# Altium PCB PCB1.PcbDoc (part 2 of 2)
Units mm, origin at the board's own origin, x right, y up, seen from the top; angles counter-clockwise.
Board outline 228.75 x 76.35 mm, 2 copper layers (Top Layer, Bottom Layer); 114 components, 129 nets, 731 pads, 121 vias.
Unrouted connection lines stored in the file: 10.
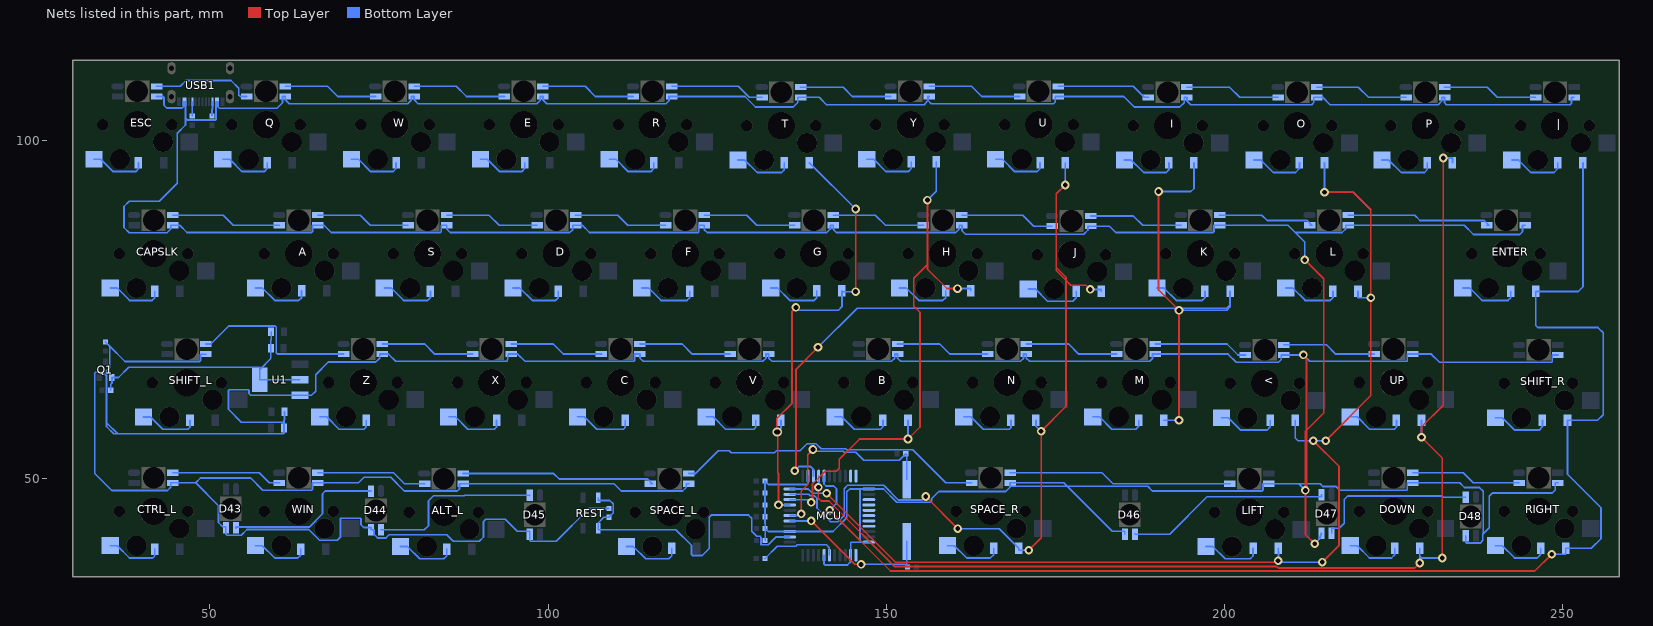
[diagram p2: the nets of this part, all layers, seen from the top]

## Via types
v1: diameter 1.27, hole 0.711, Top Layer to Bottom Layer, 94 vias
v2: diameter 0.5, hole 0.245, Top Layer to Bottom Layer, 27 vias

## Nets (pads, with @x,y where several pads share a name; then routed paths per layer and width w, separated by ;. In a path a pad name is that pad's centre, name@x,y a point inside that pad or via, vN(x,y) a via of type N, cw(c..) or ccw(c..) an arc to the next point about the centre after c; other vN are vias at no path point) (continued)
KEY_SEG6: D6.2 D18.2 D28.2 MCU.19 | length 68.4
  Top Layer w0.254: v1(133.807,56.947) 133.807,58.928 136.093,61.214 136.093,74.803 v1(136.652,75.362) ; v1(133.988,56.947) 133.988,50.925 134.085,50.829 v1(134.085,46.152) ; v1(145.491,77.699) v1(145.491,89.916)
  Bottom Layer w0.254: v1(133.807,56.947) 134.442,57.582 ; v1(133.988,56.947) 134.442,57.401 134.442,57.582 ; v1(134.085,46.152) MCU.19@135.754,46.152 ; D28.2@134.442,58.674 134.442,57.582 ; v1(136.652,75.362) 137.058,74.955 142.951,74.955 143.459,75.463 D18.2@143.459,77.699 ; D6.2@138.633,96.774 v1(145.491,89.916) ; D18.2@143.459,77.851 D18.2@143.459,77.699 ; v1(145.491,77.699) D18.2@143.459,77.699
KEY_SEG7: D7.2 D19.2 D29.2 MCU.20 | length 78.6
  Top Layer w0.254: v1(138.913,46.533) 139.117,46.738 139.117,49.252 141.021,51.156 142.646,51.156 143.078,51.587 143.078,52.908 146.075,55.905 v1(153.238,55.905) 155.016,57.683 155.016,74.625 154.102,75.54 154.102,79.68 156.108,81.686 ; v1(156.108,91.237) 156.108,81.686 ; v1(160.553,78.156) 159.004,78.156 156.108,81.051 156.108,81.686
  Bottom Layer w0.254: MCU.20@135.754,46.939 138.506,46.939 v1(138.913,46.533) ; v1(153.238,55.905) D29.2@153.238,58.674 ; v1(156.108,91.237) 157.429,92.558 D7.2@157.429,96.901 ; v1(160.553,78.156) 162.509,78.156 D19.2@162.509,77.851
KEY_SEG8: D8.2 D20.2 D30.2 D39.2 MCU.21 | length 118.2
  Top Layer w0.254: v1(155.854,47.396) v1(160.604,42.647) ; v1(171.094,39.446) 172.923,41.275 v1(172.923,57.048) 176.606,60.731 176.606,79.375 ; v1(176.479,93.472) 175.158,92.151 175.158,81.28 ; v1(180.188,78.029) 179.553,78.664 177.317,78.664 176.606,79.375 ; 175.158,81.28 175.158,80.823 176.606,79.375 ; 175.158,81.28 176.606,79.832 176.606,79.375
  Bottom Layer w0.254: MCU.21@135.754,47.727 138.559,47.727 138.756,47.53 139.389,47.53 139.776,47.142 139.776,45.695 141.791,43.68 142.842,43.68 143.815,44.653 143.815,48.565 144.297,49.047 149.657,49.047 151.816,46.888 155.346,46.888 v1(155.854,47.396) ; v1(160.604,42.647) 166.726,42.647 D39.2@169.621,39.751 169.621,39.446 v1(171.094,39.446) ; D30.2@172.161,58.674 172.161,57.81 v1(172.923,57.048) ; v1(176.479,93.472) D8.2@176.479,96.774 ; v1(180.188,78.029) 181.813,78.029 D20.2@181.813,77.724
KEY_SEG9: D9.2 D21.2 D31.2 MCU.25 | length 144
  Top Layer w0.254: v1(136.474,51.206) 136.682,51.414 136.682,66.223 v1(139.929,69.469) ; v1(190.297,92.507) 190.297,77.953 v1(193.319,74.93) v1(193.319,58.674)
  Bottom Layer w0.254: v1(136.474,51.206) 137.09,51.822 138.83,51.822 139.243,51.41 MCU.25@139.243,50.428 ; v1(139.929,69.469) 145.72,75.26 200.355,75.26 200.863,75.768 ; v1(190.297,92.507) 195.072,92.507 195.529,92.964 D9.2@195.529,96.774 ; D31.2@191.084,58.674 v1(193.319,58.674) ; v1(193.319,74.93) 200.355,74.93 200.863,75.438 200.863,75.768 ; D21.2@200.863,77.724 200.863,75.768
KEY_SEG10: D10.2 D22.2 D32.2 D40.2 MCU.22 | length 174.9
  Top Layer w0.254: v1(141.188,47.884) 151.378,37.694 207.772,37.694 v1(207.975,37.897) ; v1(213.182,55.651) 216.992,51.841 216.992,40.183 v1(214.503,37.694) ; v1(214.833,92.405) 219.1,92.405 221.691,89.814 v1(221.691,76.81) 221.691,62.332 v1(215.011,55.651)
  Bottom Layer w0.254: MCU.22@135.754,48.514 138.48,48.514 139.11,47.884 v1(141.188,47.884) ; v1(207.975,37.897) D40.2@207.975,39.751 208.157,37.915 208.178,37.694 v1(214.503,37.694) ; D32.2@210.515,58.674 210.515,56.058 210.922,55.651 v1(213.182,55.651) v1(215.011,55.651) ; D10.2@214.833,96.774 v1(214.833,92.405) 219.1,92.405 221.691,89.814 ; D22.2@219.786,77.724 219.786,76.81 v1(221.691,76.81)
KEY_SEG11: D11.2 D33.2 D41.2 MCU.26 | length 168.8
  Top Layer w0.254: v1(139.979,48.768) 139.979,47.142 140.386,46.736 141.554,46.736 151.257,37.033 207.772,37.033 207.975,36.83 228.194,36.83 v1(228.93,37.567) ; v1(232.258,38.303) 232.258,53.086 v1(229.184,56.159) 229.184,57.709 232.385,60.909 v1(232.385,97.46)
  Bottom Layer w0.254: v1(139.979,48.768) 140.03,48.819 MCU.26@140.03,50.428 ; v1(228.93,37.567) 228.93,38.583 ; D41.2@228.93,39.751 228.93,38.583 ; v1(229.184,56.159) D33.2@229.184,58.674 ; v1(232.258,38.303) 229.21,38.303 228.93,38.583 ; v1(232.385,97.46) 233.756,97.46 D11.2@233.756,96.774
KEY_SEG12: D12.2 D23.2 D34.2 D42.2 MCU.27 | length 205.6
  Top Layer w0.254: v1(141.656,45.364) 150.647,36.373 245.948,36.373 v1(248.437,38.862)
  Bottom Layer w0.254: MCU.27@140.818,50.428 140.818,49.251 141.112,48.957 142.24,48.957 142.67,48.526 142.67,46.379 v1(141.656,45.364) ; v1(248.437,38.862) 250.52,38.862 D42.2@250.52,39.751 254.305,39.751 255.727,41.173 255.727,45.72 250.774,50.673 D34.2@250.774,58.674 255.219,58.674 256.063,59.518 256.063,71.597 255.27,72.39 246.38,72.39 246.075,72.695 D23.2@246.075,77.724 252.374,77.724 253.06,78.41 D12.2@253.06,96.774
Net<_2: <.2 D32.1 | length 9.1
  Bottom Layer w0.254: <.2@199.594,59.055 200.609,59.055 202.438,57.226 206.324,57.226 206.807,57.709 D32.1@206.807,58.674
Net<_4: <.4 UP.6 | length 13.9
  Bottom Layer w0.254: <.4@208.844,69.838 215.138,69.838 216.511,68.465 UP.6@222.194,68.465
Net<_6: <.6 M.4 | length 14
  Bottom Layer w0.254: M.4@189.794,69.965 200.417,69.965 202.044,68.338 <.6@203.144,68.338
NetA_2: A.2 D14.1 | length 8.8
  Bottom Layer w0.254: A.2@56.719,78.232 57.734,78.232 59.563,76.403 63.144,76.403 63.551,76.81 D14.1@63.551,77.851
NetA_4: A.4 S.6 | length 14
  Bottom Layer w0.254: A.4@65.969,89.015 72.212,89.015 73.712,87.515 S.6@79.319,87.515
NetA_6: A.6 CAPSLK.4 | length 16.4
  Bottom Layer w0.254: CAPSLK.4@44.506,89.015 51.943,89.015 53.443,87.515 A.6@60.269,87.515
NetALT_L_2: ALT_L.2 D37.1 | length 8.8
  Bottom Layer w0.254: ALT_L.2@78.182,40.005 79.197,40.005 81.026,38.176 84.582,38.176 85.014,38.608 D37.1@85.014,39.624
NetALT_L_4: ALT_L.4 SPACE_L.6 | length 29
  Bottom Layer w0.254: ALT_L.4@87.432,50.788 100.838,50.788 101.639,49.987 114.757,49.987 115.456,49.288 SPACE_L.6@115.133,49.288
NetALT_L_6: ALT_L.6 WIN.4 | length 16.4
  Bottom Layer w0.254: WIN.4@65.969,50.915 77.146,50.915 78.773,49.288 ALT_L.6@81.732,49.288
NetB_2: B.2 D29.1 | length 9
  Bottom Layer w0.254: B.2@142.444,59.182 143.459,59.182 145.288,57.353 149.174,57.353 149.53,57.709 D29.1@149.53,58.674
NetB_4: B.4 N.6 | length 14
  Bottom Layer w0.254: B.4@151.694,69.965 157.937,69.965 159.437,68.465 N.6@165.044,68.465
NetC_2: C.2 D27.1 | length 9
  Bottom Layer w0.254: C.2@104.344,59.182 105.359,59.182 107.188,57.353 111.15,57.353 111.43,57.633 D27.1@111.43,58.674
NetC_4: C.4 V.6 | length 14
  Bottom Layer w0.254: C.4@113.594,69.965 119.837,69.965 121.337,68.465 V.6@126.944,68.465
NetC_6: C.6 X.4 | length 14
  Bottom Layer w0.254: X.4@94.544,69.965 100.787,69.965 102.287,68.465 C.6@107.894,68.465
NetCAPSLK_2: CAPSLK.2 D13.1 | length 8.4
  Bottom Layer w0.254: CAPSLK.2@35.256,78.232 36.271,78.232 38.1,76.403 41.427,76.403 41.834,76.81 D13.1@41.834,77.724
NetCTRL_L_2: CTRL_L.2 D35.1 | length 8.5
  Bottom Layer w0.254: CTRL_L.2@35.256,40.132 36.271,40.132 38.1,38.303 41.529,38.303 41.834,38.608 D35.1@41.834,39.624
NetCTRL_L_4: CTRL_L.4 WIN.6 | length 16.4
  Bottom Layer w0.254: CTRL_L.4@44.506,50.915 57.264,50.915 58.764,49.415 WIN.6@60.269,49.415
NetD1_1: D1.1 ESC.2 | length 8.4
  Bottom Layer w0.254: ESC.2@32.843,97.282 33.858,97.282 35.687,95.453 39.014,95.453 39.421,95.86 D1.1@39.421,96.774
NetD2_1: D2.1 Q.2 | length 8.4
  Bottom Layer w0.254: Q.2@51.893,97.282 52.908,97.282 54.737,95.453 58.014,95.453 58.471,95.91 D2.1@58.471,96.774
NetD3_1: D3.1 W.2 | length 8.4
  Bottom Layer w0.254: W.2@70.943,97.282 71.958,97.282 73.787,95.453 77.064,95.453 77.521,95.91 D3.1@77.521,96.774
NetD4_1: D4.1 E.2 | length 8.4
  Bottom Layer w0.254: E.2@89.993,97.282 91.008,97.282 92.837,95.453 96.114,95.453 96.571,95.91 D4.1@96.571,96.774
NetD5_1: D5.1 R.2 | length 8.4
  Bottom Layer w0.254: R.2@109.043,97.282 110.058,97.282 111.887,95.453 115.164,95.453 115.621,95.91 D5.1@115.621,96.774
NetD6_1: D6.1 T.2 | length 8.8
  Bottom Layer w0.254: T.2@128.093,97.155 129.108,97.155 130.937,95.326 134.518,95.326 134.925,95.733 D6.1@134.925,96.774
NetD7_1: D7.1 Y.2 | length 8.5
  Bottom Layer w0.254: Y.2@147.143,97.282 148.158,97.282 149.987,95.453 153.264,95.453 153.721,95.91 D7.1@153.721,96.901
NetD8_1: D8.1 U.2 | length 8.4
  Bottom Layer w0.254: U.2@166.193,97.282 167.208,97.282 169.037,95.453 172.314,95.453 172.771,95.91 D8.1@172.771,96.774
NetD9_1: D9.1 I.2 | length 8.5
  Bottom Layer w0.254: I.2@185.243,97.155 186.258,97.155 188.087,95.326 191.414,95.326 191.821,95.733 D9.1@191.821,96.774
NetD10_1: D10.1 O.2 | length 8.6
  Bottom Layer w0.254: O.2@204.42,97.155 205.435,97.155 207.264,95.326 210.541,95.326 211.125,95.91 D10.1@211.125,96.774
NetD11_1: D11.1 P.2 | length 8.7
  Bottom Layer w0.254: P.2@223.343,97.155 224.358,97.155 226.187,95.326 229.616,95.326 230.048,95.758 D11.1@230.048,96.774
NetD12_1: D12.1 |.2 | length 8.7
  Bottom Layer w0.254: |.2@242.52,97.155 243.535,97.155 245.364,95.326 248.768,95.326 249.352,95.91 D12.1@249.352,96.774
NetD15_1: D15.1 S.2 | length 8.7
  Bottom Layer w0.254: S.2@75.769,78.232 76.784,78.232 78.613,76.403 82.194,76.403 82.601,76.81 D15.1@82.601,77.724
NetD16_1: D16.1 D.2 | length 8.5
  Bottom Layer w0.254: D.2@94.819,78.232 95.834,78.232 97.663,76.403 101.117,76.403 101.524,76.81 D16.1@101.524,77.724
NetD17_1: D17.1 F.2 | length 8.9
  Bottom Layer w0.254: F.2@113.869,78.232 114.884,78.232 116.713,76.403 120.548,76.403 120.955,76.81 D17.1@120.955,77.724
NetD18_1: D18.1 G.2 | length 8.8
  Bottom Layer w0.254: G.2@132.919,78.232 133.934,78.232 135.763,76.403 139.344,76.403 139.751,76.81 D18.1@139.751,77.851
NetD19_1: D19.1 H.2 | length 8.8
  Bottom Layer w0.254: H.2@151.969,78.232 152.984,78.232 154.813,76.403 158.394,76.403 158.801,76.81 D19.1@158.801,77.851
NetD20_1: D20.1 J.2 | length 9
  Bottom Layer w0.254: J.2@171.019,78.105 172.034,78.105 173.863,76.276 177.597,76.276 178.105,76.784 D20.1@178.105,77.724
NetD21_1: D21.1 K.2 | length 8.9
  Bottom Layer w0.254: K.2@190.069,78.232 191.084,78.232 192.913,76.403 196.748,76.403 197.155,76.81 D21.1@197.155,77.724
NetD22_1: D22.1 L.2 | length 8.8
  Bottom Layer w0.254: L.2@209.119,78.232 210.134,78.232 211.963,76.403 215.671,76.403 216.078,76.81 D22.1@216.078,77.724
NetD23_1: D23.1 ENTER.2 | length 8.9
  Bottom Layer w0.254: ENTER.2@235.281,78.232 236.296,78.232 238.125,76.403 241.96,76.403 242.367,76.81 D23.1@242.367,77.724
NetD24_1: D24.1 SHIFT_L.2 | length 8.8
  Bottom Layer w0.254: SHIFT_L.2@40.153,59.17 41.148,59.17 42.99,57.328 46.736,57.328 47.041,57.633 D24.1@47.041,58.674
NetD25_1: D25.1 Z.2 | length 8.8
  Bottom Layer w0.254: Z.2@66.244,59.182 67.259,59.182 69.088,57.353 72.771,57.353 73.127,57.709 D25.1@73.127,58.674
NetD26_1: D26.1 X.2 | length 9
  Bottom Layer w0.254: X.2@85.294,59.182 86.309,59.182 88.138,57.353 92.05,57.353 92.38,57.683 D26.1@92.38,58.674
NetD28_1: D28.1 V.2 | length 9.3
  Bottom Layer w0.254: V.2@123.394,59.182 124.409,59.182 126.238,57.353 130.454,57.353 130.734,57.633 D28.1@130.734,58.674
NetD30_1: D30.1 N.2 | length 8.9
  Bottom Layer w0.254: N.2@161.494,59.182 162.509,59.182 164.338,57.353 168.25,57.353 168.453,57.556 D30.1@168.453,58.674
NetD31_1: D31.1 M.2 | length 8.7
  Bottom Layer w0.254: M.2@180.544,59.182 181.559,59.182 183.388,57.353 186.944,57.353 187.376,57.785 D31.1@187.376,58.674
NetD33_1: D33.1 UP.2 | length 8.7
  Bottom Layer w0.254: UP.2@218.644,59.182 219.659,59.182 221.488,57.353 225.146,57.353 225.476,57.683 D33.1@225.476,58.674
NetD34_1: D34.1 SHIFT_R.2 | length 8.9
  Bottom Layer w0.254: SHIFT_R.2@240.107,59.055 241.122,59.055 242.951,57.226 246.583,57.226 247.066,57.709 D34.1@247.066,58.674
NetD36_1: D36.1 WIN.2 | length 8.5
  Bottom Layer w0.254: WIN.2@56.719,40.132 57.734,40.132 59.563,38.303 62.992,38.303 63.424,38.735 D36.1@63.424,39.624
NetD38_1: D38.1 SPACE_L.2 | length 8.8
  Bottom Layer w0.254: SPACE_L.2@111.583,40.005 112.598,40.005 114.427,38.176 117.856,38.176 118.288,38.608 D38.1@118.288,39.751
NetD39_1: D39.1 SPACE_R.2 | length 8.7
  Bottom Layer w0.254: SPACE_R.2@159.081,40.132 160.096,40.132 161.925,38.303 165.405,38.303 165.913,38.811 D39.1@165.913,39.751
NetD40_1: D40.1 LIFT.2 | length 9
  Bottom Layer w0.254: LIFT.2@197.308,40.005 198.323,40.005 200.152,38.176 203.835,38.176 204.267,38.608 D40.1@204.267,39.751
NetD41_1: D41.1 DOWN.2 | length 8.5
  Bottom Layer w0.254: DOWN.2@218.644,40.132 219.659,40.132 221.488,38.303 224.739,38.303 225.222,38.786 D41.1@225.222,39.751
NetD42_1: D42.1 RIGHT.2 | length 8.6
  Bottom Layer w0.254: RIGHT.2@240.107,40.132 241.122,40.132 242.951,38.303 246.278,38.303 246.812,38.837 D42.1@246.812,39.751
NetD43_4: D43.4 D44.2 | length 24.1
  Bottom Layer w0.254: D43.4@53.84,42.743 53.84,42.875 64.69,42.875 66.65,44.835 66.65,47.803 67.056,48.209 73.803,48.209 D44.2@73.803,48.189
NetD44_4: D44.4 D45.2 | length 26.3
  Bottom Layer w0.254: D44.4@75.303,42.489 75.303,42.469 81.712,42.469 82.321,43.078 82.321,46.761 83.063,47.503 87.606,47.503 87.678,47.574 97.294,47.574 D45.2@97.294,47.554
NetD46_4: D46.4 D47.2 | length 30.2
  Bottom Layer w0.254: D46.4@186.805,41.854 186.805,41.834 191.948,41.834 197.46,47.346 214.392,47.346 D47.2@214.392,47.681
NetD47_4: D47.4 D48.2 | length 24.7
  Bottom Layer w0.254: D47.4@215.892,41.981 215.892,42.697 217.018,42.697 217.754,43.434 217.754,46.965 218.262,47.473 232.232,47.473 232.41,47.295 235.728,47.295 D48.2@235.728,47.3
NetD_4: D.4 F.6 | length 14
  Bottom Layer w0.254: D.4@104.069,89.015 110.312,89.015 111.812,87.515 F.6@117.419,87.515
NetD_6: D.6 S.4 | length 14
  Bottom Layer w0.254: S.4@85.019,89.015 91.262,89.015 92.762,87.515 D.6@98.369,87.515
NetDOWN_4: DOWN.4 RIGHT.6 | length 16.4
  Bottom Layer w0.254: DOWN.4@227.894,50.915 235.331,50.915 236.831,49.415 RIGHT.6@243.657,49.415
NetE_4: E.4 R.6 | length 14
  Bottom Layer w0.254: E.4@99.243,108.065 105.486,108.065 106.986,106.565 R.6@112.593,106.565
NetE_6: E.6 W.4 | length 14
  Bottom Layer w0.254: W.4@80.193,108.065 86.436,108.065 87.936,106.565 E.6@93.543,106.565
NetENTER_6: ENTER.6 L.4 | length 21.7
  Bottom Layer w0.254: L.4@218.369,89.015 228.168,89.015 228.969,88.214 238.455,88.214 239.154,87.515 ENTER.6@238.831,87.515
NetESC_4: ESC.4 Q.6 | length 15.3
  Bottom Layer w0.254: ESC.4@42.093,108.065 45.601,108.065 46.458,108.922 53.104,108.922 54.254,107.772 54.254,106.768 54.458,106.565 Q.6@55.443,106.565
NetF_4: F.4 G.6 | length 14
  Bottom Layer w0.254: F.4@123.119,89.015 129.362,89.015 130.862,87.515 G.6@136.469,87.515
NetG_4: G.4 H.6 | length 14
  Bottom Layer w0.254: G.4@142.169,89.015 148.412,89.015 149.912,87.515 H.6@155.519,87.515
NetH_4: H.4 J.6 | length 14
  Bottom Layer w0.254: H.4@161.219,89.015 170.217,89.015 171.844,87.388 J.6@174.569,87.388
NetI_4: I.4 O.6 | length 14.1
  Bottom Layer w0.254: I.4@194.493,107.938 200.787,107.938 202.287,106.438 O.6@207.97,106.438
NetI_6: I.6 U.4 | length 14
  Bottom Layer w0.254: U.4@175.443,108.065 186.575,108.065 188.202,106.438 I.6@188.793,106.438
NetJ_4: J.4 K.6 | length 13.9
  Bottom Layer w0.254: J.4@180.269,88.888 186.563,88.888 187.936,87.515 K.6@193.619,87.515
NetK_4: K.4 L.6 | length 14.6
  Bottom Layer w0.254: K.4@199.319,89.015 205.562,89.015 206.363,88.214 212.293,88.214 212.992,87.515 L.6@212.669,87.515
NetLIFT_6: LIFT.6 SPACE_R.4 | length 33.2
  Bottom Layer w0.254: SPACE_R.4@168.331,50.915 181.926,50.915 183.553,49.288 LIFT.6@200.858,49.288
NetM_6: M.6 N.4 | length 14
  Bottom Layer w0.254: N.4@170.744,69.965 176.987,69.965 178.487,68.465 M.6@184.094,68.465
NetO_4: O.4 P.6 | length 13.8
  Bottom Layer w0.254: O.4@213.67,107.938 219.837,107.938 221.337,106.438 P.6@226.893,106.438
NetP_4: P.4 |.6 | length 14.1
  Bottom Layer w0.254: P.4@232.593,107.938 238.887,107.938 240.387,106.438 |.6@246.07,106.438
NetQ_4: Q.4 W.6 | length 14
  Bottom Layer w0.254: Q.4@61.143,108.065 67.386,108.065 68.886,106.565 W.6@74.493,106.565
NetR1_1: R1.1 USB1.A5 | length 2.1
  Bottom Layer w0.254: R1.1@47.371,103.683 47.371,104.699 47.384,104.712 USB1.A5@47.384,105.776
NetR2_2: R2.2 USB1.B5 | length 2.1
  Bottom Layer w0.254: R2.2@50.29,103.695 50.29,104.673 50.384,104.767 USB1.B5@50.384,105.776
NetR_4: R.4 T.6 | length 14
  Bottom Layer w0.254: R.4@118.293,108.065 128.155,108.065 129.782,106.438 T.6@131.643,106.438
NetSHIFT_L_4: SHIFT_L.4 Z.6 | length 25.4
  Bottom Layer w0.254: SHIFT_L.4@49.403,69.953 50.109,69.953 52.775,72.619 59.639,72.619 59.792,72.466 59.792,68.682 60.008,68.465 Z.6@69.794,68.465
NetSPACE_L_4: SPACE_L.4 SPACE_R.6 | length 46.3
  Bottom Layer w0.254: SPACE_L.4@120.833,50.788 121.78,50.788 125.152,54.161 126.78,54.161 127.068,53.873 133.485,53.873 133.783,54.172 137.258,54.172 138.305,55.218 139.622,55.218 140.389,54.451 144.018,54.451 144.139,54.331 153.924,54.331 158.84,49.415 SPACE_R.6@162.631,49.415
NetT_4: T.4 Y.6 | length 13.9
  Bottom Layer w0.254: T.4@137.343,107.938 143.637,107.938 145.01,106.565 Y.6@150.693,106.565
NetU_6: U.6 Y.4 | length 14
  Bottom Layer w0.254: Y.4@156.393,108.065 162.636,108.065 164.136,106.565 U.6@169.743,106.565
NetX_6: X.6 Z.4 | length 14
  Bottom Layer w0.254: Z.4@75.494,69.965 81.737,69.965 83.237,68.465 X.6@88.844,68.465
PC7: MCU.32
PE2: MCU.33
PE6: MCU.1
PF0: MCU.41
PF1: MCU.40
PF4: MCU.39
PF5: MCU.38
PF6: MCU.37
PF7: MCU.36
REST: MCU.13 R3.2 REST.1 | length 47.9
  Bottom Layer w0.254: REST.1@107.424,47.208 107.424,46.812 109.144,46.812 109.626,46.33 109.626,44.956 R3.2@108.994,44.323 108.262,44.323 107.424,43.485 REST.1@107.424,42.708 107.424,42.494 118.901,42.494 121.209,40.186 121.209,38.775 121.31,38.673 122.784,38.673 123.825,39.714 123.825,44.323 124.156,44.653 129.642,44.653 130.124,44.171 130.124,42.24 130.861,41.504 131.369,41.504 131.496,41.377 131.496,40.286 132.588,40.286 133.729,41.427 MCU.13@135.754,41.427
UCap: C13.2 MCU.6 | length 11.6
  Bottom Layer w0.254: C13.2@132.095,38.227 133.924,40.056 136.668,40.056 136.866,40.254 141.178,40.254 141.605,39.827 MCU.6@141.605,38.726
VBUS: <.3 A.3 ALT_L.3 B.3 C3.2 C4.2 C5.2 C6.2 C7.2 C8.2 C9.2 C10.2 C.3 CAPSLK.3 CTRL_L.3 D43.3 D44.3 D45.3 D46.3 D47.3 D48.3 D.3 DOWN.3 E.3 ENTER.3 ESC.3 F.3 G.3 H.3 I.3 J.3 K.3 L.3 LIFT.3 M.3 MCU.2 MCU.7 MCU.14 MCU.24 MCU.34 MCU.44 N.3 O.3 P.3 Q.3 R3.1 R5.2 R.3 RIGHT.3 S.3 SHIFT_L.3 SHIFT_R.3 SPACE_L.3 SPACE_R.3 T.3 U1.3 U.3 UP.3 USB1.A4 USB1.A9 USB1.B4 USB1.B9 V.3 W.3 WIN.3 X.3 Y.3 Z.3 |.3 | length 1235.9
  Top Layer w0.254: v1(211.709,68.338) 212.166,67.881 212.166,57.201 ; v1(211.912,82.398) 214.706,79.604 214.706,59.741 212.166,57.201 ; v1(213.385,40.411) 212.014,41.783 v1(212.014,48.311) ; v1(212.014,48.311) 212.166,48.463 212.166,57.201 ; v1(212.014,48.311) 212.014,57.048 212.166,57.201
  Bottom Layer w0.254: R5.2@34.544,70.246 35.179,69.611 ; ESC.3@42.093,106.565 43.078,106.565 43.205,106.438 43.205,105.258 43.612,104.851 45.881,104.851 46.084,105.054 USB1.A4@46.084,105.776 USB1.B9@46.384,105.776 46.384,103.425 ; SHIFT_L.3@49.403,68.453 48.59,68.453 48.59,67.462 48.489,67.361 37.429,67.361 35.179,69.611 ; C9.2@61.021,59.944 61.021,58.765 60.955,58.699 60.955,58.217 ; Q.3@61.143,106.565 Q.3@61.138,106.565 ; W.3@80.193,106.565 W.3@80.188,106.565 ; S.3@85.019,87.515 S.3@85.014,87.515 ; E.3@99.243,106.565 E.3@99.238,106.565 ; R3.1@108.994,45.623 106.05,45.623 101.194,40.767 97.434,40.767 97.294,40.907 D45.3@97.294,41.854 97.294,42.266 95.453,42.266 93.675,44.044 90.805,44.044 90.449,43.688 90.449,41.402 89.814,40.767 86.004,40.767 85.039,41.732 76.479,41.732 76.022,41.275 74.778,41.275 74.27,41.783 74.27,42.489 D44.3@73.803,42.489 73.803,42.824 72.746,42.824 72.339,43.231 72.339,44.069 72.238,44.171 69.317,44.171 69.317,41.453 68.809,40.945 66.192,40.945 64.618,42.52 55.481,42.52 54.627,41.666 52.527,41.666 52.34,41.853 D43.3@52.34,42.743 52.34,42.926 51.892,42.926 51.257,43.561 51.257,46.037 47.879,49.415 ; C.3@113.594,68.465 C.3@113.589,68.465 ; SPACE_L.3@120.833,49.288 120.421,49.288 120.421,48.743 119.888,48.209 110.827,48.209 109.748,49.288 ALT_L.3@87.432,49.288 86.919,49.288 86.919,48.565 86.565,48.211 78.736,48.211 76.719,50.228 72.78,50.228 71.966,49.415 WIN.3@65.969,49.415 65.151,49.415 65.151,48.463 65.026,48.338 57.809,48.338 56.007,50.14 48.604,50.14 47.879,49.415 ; F.3@123.119,87.515 F.3@123.114,87.515 ; C8.2@132.11,40.894 C7.2@132.11,42.651 ; V.3@132.644,68.465 V.3@132.639,68.465 ; MCU.24@138.455,50.428 138.455,49.378 138.238,49.16 132.616,49.16 C3.2@132.095,49.681 C4.2@132.095,47.924 C5.2@132.095,46.166 132.095,45.771 132.08,45.756 132.08,44.409 C6.2@132.095,44.409 132.095,43.495 132.11,43.48 C7.2@132.11,42.651 ; MCU.7@140.818,38.726 140.818,37.389 140.945,37.262 144.272,37.262 144.755,37.744 MCU.2@144.755,38.726 144.755,40.538 144.856,40.64 146.355,40.64 ; G.3@142.169,87.515 G.3@142.164,87.515 ; MCU.44@147.456,40.64 146.355,40.64 ; B.3@151.694,68.465 B.3@151.689,68.465 ; Y.3@156.393,106.565 156.185,106.565 156.185,105.969 ; H.3@161.219,87.515 H.3@161.214,87.515 ; N.3@170.744,68.465 N.3@170.739,68.465 ; D46.3@185.305,41.854 185.305,42.266 183.439,42.266 176.784,48.92 ; I.3@194.493,106.438 I.3@194.488,106.438 ; v1(211.912,82.398) 211.912,85.039 210.515,86.436 ; v1(212.014,48.311) 211.037,49.288 ; v1(213.385,40.411) 214.103,41.129 D47.3@214.392,41.981 ; P.3@232.593,106.438 P.3@232.588,106.438 ; D48.3@235.728,41.6 235.728,40.64 235.855,40.513 237.846,40.513 238.251,40.918 238.251,41.835 ; ENTER.3@244.531,87.515 244.119,87.515 244.119,86.563 243.713,86.157 236.88,86.157 235.522,87.515 L.3@218.369,87.515 217.957,87.515 217.957,86.97 217.424,86.436 210.515,86.436 ; RIGHT.3@249.357,49.415 248.945,49.415 248.945,48.362 248.488,47.904 239.649,47.904 239.192,47.447 239.192,42.776 238.251,41.835 ; SHIFT_R.3@249.357,68.338 248.539,68.338 248.539,67.361 248.437,67.259 231.851,67.259 230.645,68.465 UP.3@227.894,68.465 227.076,68.465 227.076,67.488 226.974,67.386 212.661,67.386 v1(211.709,68.338) <.3@208.844,68.338 208.432,68.338 208.432,67.666 208.026,67.259 201.778,67.259 200.572,68.465 M.3@189.794,68.465 189.382,68.465 189.382,67.793 188.976,67.386 171.221,67.386 170.739,67.869 N.3@170.739,68.465 ; |.3@251.77,106.438 251.358,106.438 251.358,105.562 251.155,105.359 232.867,105.359 232.588,105.639 P.3@232.588,106.438 ; 34.696,58.318 34.696,65.202 ; 34.696,58.318 34.696,57.76 35.789,56.667 36.347,56.667 ; 34.696,58.318 36.347,56.667 ; 34.696,65.202 34.696,65.989 35.179,66.472 35.179,69.611 ; 34.696,65.202 34.138,65.761 33.071,65.761 32.944,65.634 32.944,50.8 35.458,48.285 43.713,48.285 44.196,48.768 44.196,49.415 CTRL_L.3@44.506,49.415 47.879,49.415 ; 36.347,56.667 60.828,56.667 60.955,56.794 C10.2@60.955,57.531 60.955,58.217 ; 46.384,103.425 46.384,102.337 45.161,101.114 45.161,93.726 42.494,91.059 38.049,91.059 37.275,90.285 37.275,87.185 38.049,86.411 43.637,86.411 44.196,86.97 44.196,87.515 CAPSLK.3@44.506,87.515 45.517,87.515 46.596,86.436 65.024,86.436 65.151,86.563 65.151,87.515 A.3@65.969,87.515 66.853,87.515 67.932,86.436 84.074,86.436 84.201,86.563 84.201,87.515 S.3@85.014,87.515 ; 46.384,103.425 46.736,103.073 50.8,103.073 50.902,103.175 50.902,104.579 50.884,104.597 USB1.B4@50.884,105.776 USB1.A9@51.184,105.776 51.184,105.051 51.41,104.826 59.919,104.826 60.731,105.639 60.731,106.565 Q.3@61.138,106.565 ; 60.955,58.217 60.777,58.395 54.635,58.395 52.73,60.3 52.73,63.094 52.832,63.195 55.677,63.195 55.778,63.094 55.778,62.586 55.995,62.369 U1.3@63.295,62.369 65.024,62.369 65.634,62.979 65.634,65.43 67.488,67.285 74.524,67.285 75.108,67.869 75.108,68.465 Z.3@75.494,68.465 76.403,68.465 77.482,67.386 93.98,67.386 94.132,68.465 X.3@94.544,68.465 95.504,68.465 96.583,67.386 112.674,67.386 112.776,67.488 112.776,68.465 C.3@113.589,68.465 ; Q.3@61.138,106.565 61.138,106.07 61.722,105.486 79.248,105.486 79.781,106.02 79.781,106.565 W.3@80.188,106.565 ; W.3@80.188,106.565 80.188,106.07 80.772,105.486 98.349,105.486 98.831,105.969 98.831,106.565 E.3@99.238,106.565 ; S.3@85.014,87.515 85.014,86.97 85.547,86.436 103.226,86.436 103.657,86.868 103.657,87.515 D.3@104.069,87.515 105.054,87.515 106.133,86.436 122.174,86.436 122.301,86.563 122.301,87.515 F.3@123.114,87.515 ; E.3@99.238,106.565 99.238,106.07 99.822,105.486 117.45,105.486 117.881,105.918 117.881,106.565 R.3@118.293,106.565 129.122,106.565 130.683,105.004 136.271,105.004 136.931,105.664 136.931,106.438 T.3@137.343,106.438 140.106,106.438 141.185,105.359 155.651,105.359 156.185,105.969 ; C.3@113.589,68.465 113.589,67.869 114.071,67.386 131.75,67.386 132.232,67.869 132.232,68.465 V.3@132.639,68.465 ; F.3@123.114,87.515 123.114,86.868 123.546,86.436 141.224,86.436 141.757,86.97 141.757,87.515 G.3@142.164,87.515 ; C7.2@132.11,42.651 132.547,42.215 MCU.14@135.754,42.215 142.138,42.215 144.193,44.269 144.193,48.079 144.628,48.514 146.304,48.514 ; V.3@132.639,68.465 132.639,67.869 133.121,67.386 150.8,67.386 151.282,67.869 151.282,68.465 B.3@151.689,68.465 ; G.3@142.164,87.515 142.164,86.919 142.646,86.436 160.274,86.436 160.807,86.97 160.807,87.515 H.3@161.214,87.515 ; 146.304,48.514 MCU.34@147.456,48.514 149.606,48.514 151.587,46.533 156.506,46.533 156.709,46.736 156.709,47.058 157.785,48.133 167.691,48.133 168.326,48.768 168.326,48.92 ; 146.304,48.514 146.152,48.362 146.152,40.843 146.355,40.64 ; B.3@151.689,68.465 151.689,67.869 152.171,67.386 169.875,67.386 170.332,67.843 170.332,68.465 N.3@170.739,68.465 ; 156.185,105.969 156.667,105.486 174.752,105.486 175.031,105.766 175.031,106.565 U.3@175.443,106.565 185.154,106.565 186.715,105.004 193.446,105.004 194.081,105.639 194.081,106.438 I.3@194.488,106.438 ; H.3@161.214,87.515 161.214,86.716 161.747,86.182 179.222,86.182 179.857,86.817 179.857,87.388 J.3@180.269,87.388 183.032,87.388 183.984,86.436 198.374,86.436 198.501,86.563 198.501,87.515 K.3@199.319,87.515 209.436,87.515 210.515,86.436 ; 168.326,48.92 176.784,48.92 ; 168.326,48.92 168.326,49.415 SPACE_R.3@168.331,49.415 176.289,49.415 176.784,48.92 ; 176.784,48.92 188.671,48.92 189.382,48.209 205.638,48.209 205.74,48.311 205.74,49.288 LIFT.3@206.558,49.288 211.037,49.288 ; I.3@194.488,106.438 194.488,105.943 195.072,105.359 212.954,105.359 213.258,105.664 213.258,106.438 O.3@213.67,106.438 214.579,106.438 215.658,105.359 231.648,105.359 232.181,105.893 232.181,106.438 P.3@232.588,106.438 ; 211.037,49.288 214.186,49.288 214.605,48.87 216.56,48.87 217.094,48.336 226.974,48.336 227.076,48.438 227.076,49.415 DOWN.3@227.894,49.415 234.862,49.415 235.534,48.743 237.744,48.743 238.328,48.158 238.328,41.963 238.251,41.886 238.251,41.835
VCC3V3: C11.2 C12.2 Q1.1 R4.2 U1.2 U1.4 | length 38.5
  Bottom Layer w0.254: R4.2@35.321,63.108 35.321,63.957 35.494,64.13 Q1.1@35.494,64.999 ; Q1.1@35.494,65.017 Q1.1@35.494,64.999 ; C12.2@59.055,71.755 59.055,70.6 58.994,70.539 C11.2@58.994,69.342 58.994,67.806 U1.4@57.355,66.167 ; U1.2@63.295,64.669 U1.4@57.355,64.669 U1.4@57.355,66.167 ; Q1.1@35.494,64.999 36.474,64.999 37.998,66.523 57.33,66.523 57.355,66.497 U1.4@57.355,66.167
XTAL1: C1.2 MCU.17 X1.1 | length 30.7
  Top Layer w0.254: v1(137.439,44.831) 137.439,48.215 138.409,49.185 138.409,53.599 v1(139.167,54.356)
  Bottom Layer w0.254: MCU.17@135.754,44.577 137.185,44.577 v1(137.439,44.831) ; v1(139.167,54.356) 139.425,54.097 143.637,54.097 143.785,53.95 145.485,53.95 146.676,52.759 151.946,52.759 C1.2@152.908,53.721 153.035,53.594 X1.1@153.035,49.869
XTAL2: C2.2 MCU.16 X1.2 | length 24.1
  Top Layer w0.254: v1(138.925,43.79) 145.351,37.363 v1(146.304,37.363)
  Bottom Layer w0.254: MCU.16@135.754,43.79 v1(138.925,43.79) ; v1(146.304,37.363) 152.741,37.363 C2.2@153.035,37.069 ; X1.2@153.035,40.764 C2.2@153.035,37.069 ; C2.2@153.035,37.069 C2.2@153.147,36.957 153.035,36.957 C2.2@153.035,37.069
pads on no net: <. A. ALT_L. B. C. CAPSLK. CTRL_L. D43. D44. D45. D46. D47. D48. D. DOWN. E. ENTER. ESC. F. G. H. I. J. K. L. LIFT. M. N. O. P. Q. R. RIGHT. S. SHIFT_L. SHIFT_R. SPACE_L. SPACE_R. T. U. UP. USB1.A8 USB1.B8 V. W. WIN. X. Y. Z. |.

## Polygon pours and split planes (outlines as drawn)
GND on Bottom Layer "GND_L02_P000" (solid, pour order 0): 29.718,111.887 258.445,111.887 258.445,35.56 29.718,35.56
GND on Top Layer "GND_L01_P001" (solid, pour order 1): 29.718,111.887 258.445,111.887 258.445,35.56 29.718,35.56

## Silkscreen, mask and mechanical layers (free items; w line width, h text height)
Top Overlay:
  drawing of 908 lines, arcs and shapes, not listed